# Altium PCB Driver_BLDC.PcbDoc (part 3 of 3)
Units mm, origin at the board's own origin, x right, y up, seen from the top; angles counter-clockwise.
Board outline 199.8 x 169.8 mm, 2 copper layers (Top Layer, Bottom Layer), stack 1.371 mm thick; 322 components, 137 nets, 857 pads, 186 vias.
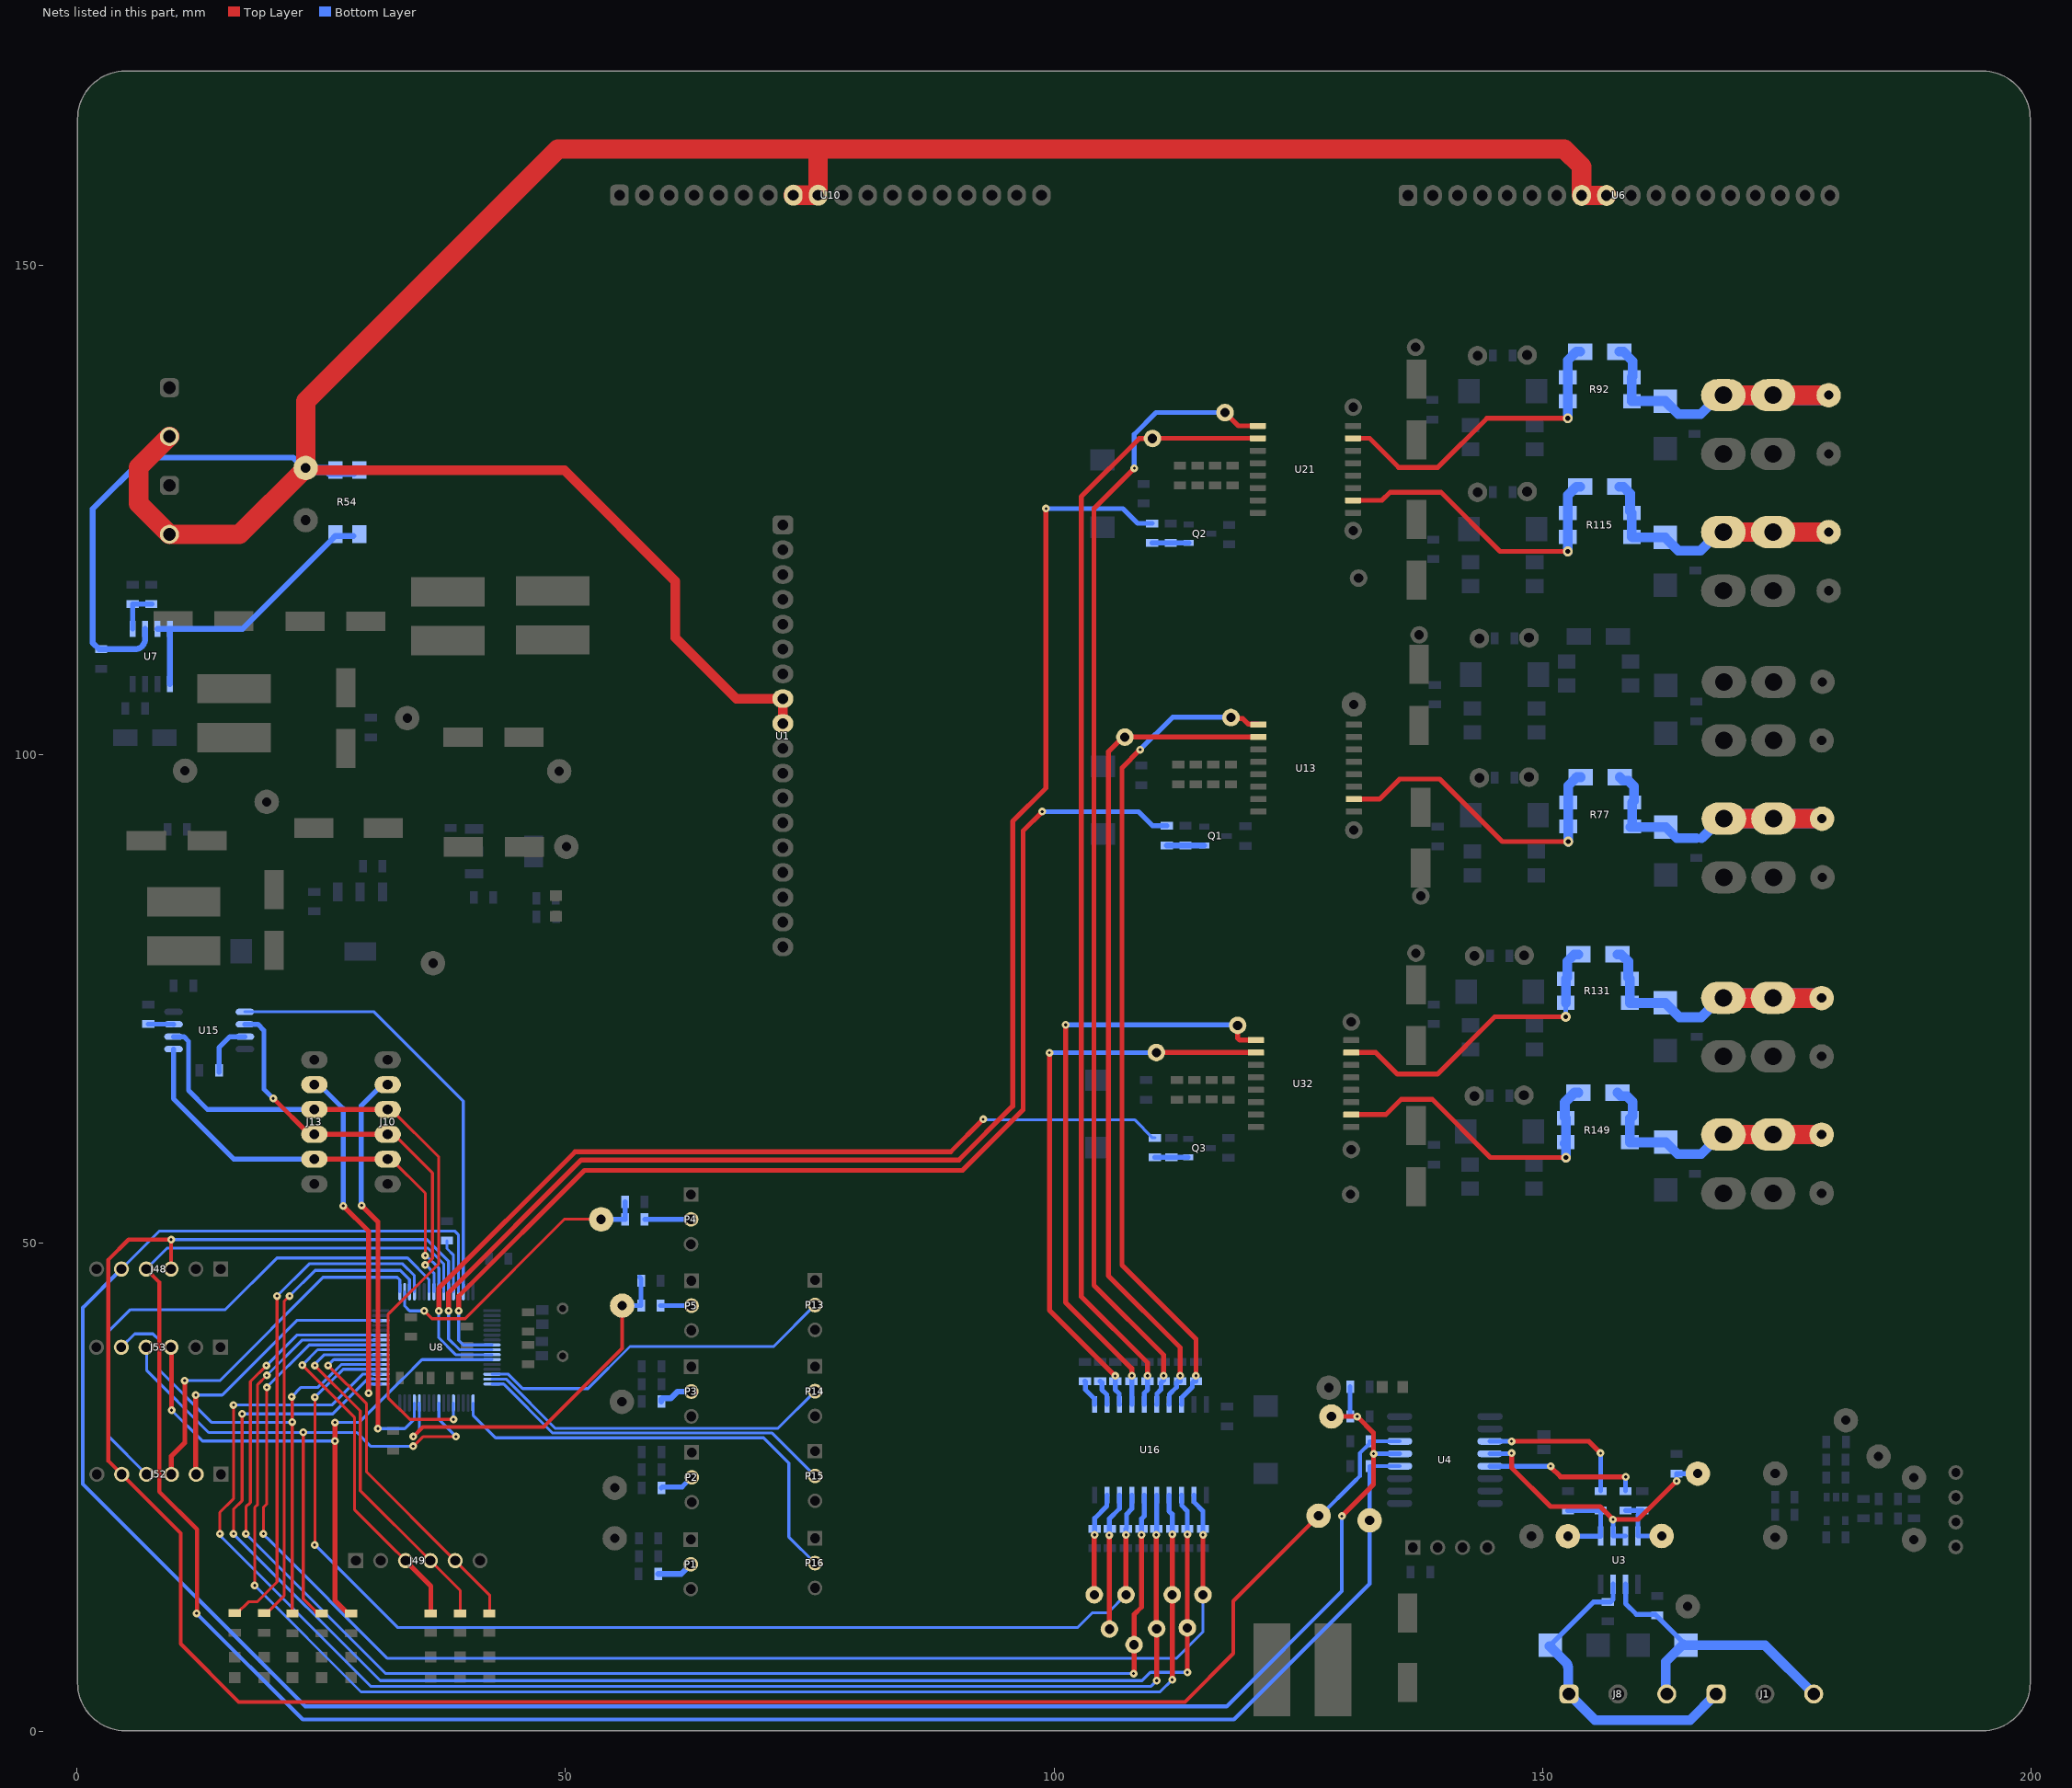
[diagram p3: the nets of this part, all layers, seen from the top]

## Via types
v1: diameter 0.8, hole 0.3, Top Layer to Bottom Layer, 76 vias
v2: diameter 0.8, hole 0.3, Top Layer to Bottom Layer, tented both sides, 35 vias
v3: diameter 1, hole 0.5, Top Layer to Bottom Layer, tented both sides, 35 vias
v4: diameter 0.6, hole 0.3, Top Layer to Bottom Layer, 16 vias
v5: diameter 1, hole 0.5, Top Layer to Bottom Layer, 16 vias
v6: diameter 0.8, hole 0.4, Top Layer to Bottom Layer, 4 vias
v7: diameter 0.8, hole 0.4, Top Layer to Bottom Layer, tented both sides, 2 vias
v8: diameter 0.7, hole 0.3, Top Layer to Bottom Layer, tented both sides, 1 vias
v9: diameter 1.5, hole 1, Top Layer to Bottom Layer, tented both sides, 1 vias

## Nets (pads, with @x,y where several pads share a name; then routed paths per layer and width w, separated by ;. In a path a pad name is that pad's centre, name@x,y a point inside that pad or via, vN(x,y) a via of type N, cw(c..) or ccw(c..) an arc to the next point about the centre after c; other vN are vias at no path point) (continued)
NetD14_1: D14.1 R77.1 U13.10 | length 32.5
  Top Layer w0.5: U13.10@130.682,95.408 133.302,95.408 135.367,97.473 139.467,97.473 145.867,91.073 v3@152.377,91.073
  Bottom Layer w0.5: R77.1@152.617,92.609 R77.1@152.626,92.618
  Bottom Layer w1: v3(152.617,91.073) R77.1@152.617,92.609 ; R77.1@152.626,92.618 R77.1@152.626,95.068 152.626,96.778 153.151,97.303 153.501,97.653 D14.1@153.901,97.653
NetD14_2: D14.2 J19.1 R77.2 R81.2 TP45.1 VD6.2 | length 36.5
  Top Layer w2: J19.1@168.547,93.413 J19.1@173.627,93.413 TP45.1@178.587,93.413
  Bottom Layer w1: D14.2@157.901,97.653 158.251,97.303 158.772,97.303 159.357,96.717 159.357,95.249 R77.2@159.176,95.068 R77.2@159.176,92.618 R77.2@159.241,92.553 ; R77.2@159.001,92.553 VD6.2@162.587,92.553 163.727,91.413 R81.2@165.718,91.413 ; R81.2@166.285,91.413 168.285,93.413 J19.1@168.547,93.413
  Bottom Layer w2: J19.1@168.547,93.413 J19.1@173.627,93.413 TP45.1@178.587,93.413
NetD17_1: D17.1 R92.1 U21.15 | length 32.8
  Top Layer w0.5: U21.15@130.61,132.323 132.3,132.323 135.265,129.358 139.285,129.358 144.305,134.378 v3(152.58,134.378)
  Bottom Layer w1: v3(152.58,134.378) R92.1@152.58,136.133 R92.1@152.58,138.583 152.58,140.313 153.455,141.188 D17.1@153.855,141.188
NetD17_2: D17.2 J24.1 R92.2 R95.2 TP55.1 VD11.2 | length 38.2
  Top Layer w2: J24.1@168.495,136.738 J24.1@173.575,136.738 TP55.1@179.271,136.738
  Bottom Layer w1: D17.2@157.855,141.188 158.255,141.188 159.221,140.222 159.221,138.674 R92.2@159.13,138.583 R92.2@159.13,136.133 159.135,136.138 VD11.2@162.535,136.138 163.885,134.788 R95.2@165.545,134.788 166.182,134.788 168.132,136.738 J24.1@168.495,136.738
  Bottom Layer w2: J24.1@168.495,136.738 J24.1@173.575,136.738 TP55.1@179.271,136.738
NetD19_1: D19.1 R115.1 U21.10 | length 32.2
  Top Layer w0.5: U21.10@130.61,125.973 133.56,125.973 134.39,126.803 139.608,126.803 145.653,120.758 v3(152.58,120.758)
  Bottom Layer w1: v3(152.58,120.758) R115.1@152.58,122.253 R115.1@152.58,124.703 152.58,126.503 153.455,127.378 D19.1@153.855,127.378
NetD19_2: D19.2 J29.1 R115.2 R118.2 TP68.1 VD15.2 | length 38.2
  Top Layer w2: J29.1@168.495,122.738 J29.1@173.575,122.738 TP68.1@179.271,122.738
  Bottom Layer w1: D19.2@157.855,127.378 158.255,127.378 158.957,126.676 158.957,124.876 R115.2@159.13,124.703 R115.2@159.13,122.253 159.205,122.178 VD15.2@162.545,122.178 ; VD15.2@162.565,122.138 163.885,120.818 R118.2@165.635,120.818 166.152,120.818 168.072,122.738 J29.1@168.495,122.738
  Bottom Layer w2: J29.1@168.495,122.738 J29.1@173.575,122.738 TP68.1@179.271,122.738
NetD21_1: D21.1 R131.1 U32.15 | length 32.4
  Top Layer w0.5: U32.15@130.42,69.484 132.94,69.484 135.145,67.279 139.225,67.279 145.095,73.149 v3(152.365,73.149)
  Bottom Layer w0.5: v3(152.365,73.149) 152.365,74.549 R131.1@152.375,74.559
  Bottom Layer w1: R131.1@152.375,74.559 R131.1@152.375,77.009 152.532,77.166 152.532,78.816 153.25,79.534 D21.1@153.65,79.534
NetD21_2: D21.2 J34.1 R131.2 R135.2 TP78.1 VD21.2 | length 36.9
  Top Layer w2: J34.1@168.505,75.089 168.535,75.059 TP78.1@178.545,75.059
  Bottom Layer w1: D21.2@157.65,79.534 158.05,79.534 158.768,78.816 158.768,77.166 R131.2@158.925,77.009 R131.2@158.925,74.559 VD21.2@162.555,74.559 164.015,73.099 R135.2@165.775,73.099 166.232,73.099 168.222,75.089 J34.1@168.505,75.089
  Bottom Layer w2: J34.1@168.505,75.089 168.535,75.059 TP78.1@178.545,75.059
NetD24_1: D24.1 R149.1 U32.10 | length 32.7
  Top Layer w0.5: U32.10@130.42,63.134 133.95,63.134 135.515,64.699 138.705,64.699 144.666,58.738 v3(152.381,58.738)
  Bottom Layer w0.5: R149.1@152.27,60.193 R149.1@152.381,60.304
  Bottom Layer w1: R149.1@152.27,60.193 152.381,60.082 v3(152.381,58.738) ; R149.1@152.381,60.304 R149.1@152.381,62.754 152.27,62.865 152.27,64.393 153.256,65.379 D24.1@153.656,65.379
NetD24_2: D24.2 J38.1 R149.2 R152.2 TP86.1 VD25.2 | length 37.2
  Top Layer w2: J38.1@168.505,61.089 J38.1@173.585,61.089 TP86.1@178.545,61.089
  Bottom Layer w1: D24.2@157.656,65.379 158.006,65.029 158.629,65.029 159.215,64.443 159.215,62.979 158.99,62.754 R149.2@158.931,62.754 R149.2@158.931,60.304 162.58,60.304 VD25.2@162.595,60.319 163.815,59.099 R152.2@165.595,59.099 166.232,59.099 168.222,61.089 J38.1@168.505,61.089
  Bottom Layer w2: J38.1@168.505,61.089 J38.1@173.585,61.089 TP86.1@178.545,61.089
NetJ1_1: J1.1 J8.1 R41.2 U3.7 ZD2.1 | length 32.8
  Bottom Layer w0.5: ZD2.1@150.806,8.862 155.203,13.26 156.92,13.26 157.207,13.547 U3.7@157.207,15.097
  Bottom Layer w1: ZD2.1@150.717,8.773 151.241,8.249 152.32,7.17 cw(c151.612,6.464) 152.612,6.464 152.612,3.952 J8.1@152.702,3.862 155.37,1.194 165.078,1.194 J1.1@167.745,3.861
NetJ1_3: J1.3 J8.3 R24.1 U3.6 ZD1.1 | length 30.9
  Bottom Layer w0.5: U3.6@158.477,15.097 158.492,15.082 158.492,13.108 159.588,12.012 161.503,12.012 161.677,11.837 ZD1.1@164.653,8.862
  Bottom Layer w1: J8.3@162.702,3.862 162.612,3.952 162.612,7.169 ZD1.1@164.393,8.949 ; ZD1.1@164.653,8.862 172.744,8.862 J1.3@177.745,3.861
NetJ10_2: J10.2 J13.2 U8.57 U15.5 | length 45.5
  Top Layer w0.3: J10.2@31.828,58.577 32.193,58.577 35.681,55.089 v1(35.681,48.722)
  Top Layer w0.5: J13.2@24.328,58.577 J10.2@31.828,58.577
  Bottom Layer w0.3: v1(35.681,48.722) 35.759,48.722 37.064,47.418 U8.57@37.064,45.017
  Bottom Layer w0.5: U15.5@9.91,69.828 9.91,64.766 16.099,58.577 J13.2@24.328,58.577
NetJ10_3: J10.3 J13.3 U8.56 U15.2 | length 41.9
  Top Layer w0.3: J10.3@31.828,61.117 32.449,61.117 36.411,57.155 36.411,48.42 35.733,47.742 v1(35.681,47.742)
  Top Layer w0.5: v1(20.117,64.795) 20.137,64.795 23.816,61.117 J13.3@24.328,61.117 J10.3@31.828,61.117
  Bottom Layer w0.3: v1(35.681,47.742) 35.741,47.742 36.564,46.92 U8.56@36.564,45.017
  Bottom Layer w0.5: U15.2@17.218,72.377 18.544,72.377 19.177,71.744 19.177,65.735 v1(20.117,64.795)
NetJ10_4: J10.4 J13.4 U8.21 U15.6 | length 71.3
  Top Layer w0.3: J10.4@31.828,63.657 32.193,63.657 37.059,58.791 37.059,47.876 31.86,42.678 31.86,34.18 34.092,31.948 38.554,31.948 v1(38.564,31.958)
  Top Layer w0.5: J13.4@24.328,63.657 J10.4@31.828,63.657
  Bottom Layer w0.3: v1(38.564,31.958) U8.21@38.564,33.635
  Bottom Layer w0.5: U15.6@9.918,71.107 10.975,71.107 11.455,70.627 11.455,65.608 13.407,63.657 J13.4@24.328,63.657
NetJ10_5: J10.5 U8.29 | length 43.1
  Top Layer w0.5: v2@29.191,53.816 30.836,52.172 v2(30.836,31.013)
  Bottom Layer w0.3: v2(30.836,31.013) 33.574,31.013 34.564,32.003 U8.29@34.564,33.635
  Bottom Layer w0.5: v2(29.163,53.845) 29.134,53.873 29.134,64.059 31.272,66.197 J10.5@31.828,66.197
NetJ13_5: J13.5 U8.33 | length 36.2
  Top Layer w0.5: v2(27.28,53.797) 29.876,51.201 29.876,34.651 v2(29.87,34.646)
  Bottom Layer w0.3: v2(29.87,34.646) 29.87,35.392 30.055,35.576 U8.33@31.123,35.576
  Bottom Layer w0.5: J13.5@24.328,66.197 24.837,66.197 27.28,63.754 v2(27.28,53.797)
NetJ48_3: J48.3 J52.5 R25.1 TP14.1 U4.6 U8.59 | length 228.2
  Top Layer w0.4: J48.3@9.667,47.332 v1(9.667,50.343) 5.309,50.343 3.251,48.285 3.251,27.703 J52.5@4.622,26.332 10.643,20.311 10.643,8.992 16.586,3.048 113.398,3.048 118.35,8 118.35,13.372 TP14.1@127.076,22.098
  Bottom Layer w0.3: v1(9.667,50.343) 35.865,50.343 38.064,48.144 U8.59@38.064,45.017
  Bottom Layer w0.4: TP14.1@126.936,21.78 TP14.1@127.132,21.693 ; TP14.1@127.076,22.098 127.249,22.098 130.703,25.552 131.303,26.152 131.303,28.487 132.303,29.487 R25.1@132.303,29.712 U4.6@135.368,29.712
NetJ48_4: J48.4 R28.1 TP11.1 U4.4 U8.58 | length 217.6
  Top Layer w0.4: J48.4@7.127,47.332 8.458,46.001 8.458,24.562 12.319,20.701 12.319,12.167 v1(12.268,12.116)
  Bottom Layer w0.3: J48.4@7.127,47.332 9.273,49.478 35.957,49.478 37.564,47.872 U8.58@37.564,45.017
  Bottom Layer w0.4: v1(12.268,12.116) 23.139,1.245 118.415,1.245 132.303,15.133 TP11.1@132.303,21.628 R28.1@132.303,27.172 U4.4@135.368,27.172
NetJ48_5: J48.5 R39.2 R40.2 TP10.1 U4.5 U8.61 | length 237.8
  Top Layer w0.5: TP10.1@128.397,32.252 v2(131.033,32.252) 132.703,30.582 132.703,25.297 v1(129.463,22.057)
  Bottom Layer w0.3: J48.5@4.587,47.332 7.598,50.343 8.487,51.232 38.684,51.232 39.064,50.852 U8.61@39.064,45.017
  Bottom Layer w0.4: J48.5@4.587,47.332 0.632,43.377 0.632,25.352 23.393,2.591 117.678,2.591 129.463,14.376 v1(129.463,22.057)
  Bottom Layer w0.5: R39.2@130.303,35.287 R40.2@130.303,32.252 v2(131.033,32.252) ; v2(132.703,28.442) U4.5@135.368,28.442
NetJ49_3: J49.3 R12.2 U8.40 | length 39.6
  Top Layer w0.3: v1(23.083,37.495) 28.448,32.13 28.448,22.694 31.927,19.216 31.937,19.216 J49.3@33.657,17.496
  Top Layer w0.5: J49.3@33.657,17.496 36.257,14.896 R12.2@36.257,12.101
  Bottom Layer w0.3: v1(23.083,37.495) 24.665,39.076 U8.40@31.123,39.076
NetJ49_4: J49.4 R11.2 U8.39 | length 38.8
  Top Layer w0.3: v1(24.384,37.465) 29.032,32.817 29.032,24.661 J49.4@36.197,17.496 39.257,14.436 R11.2@39.257,12.101
  Bottom Layer w0.3: v1(24.384,37.465) 24.384,37.601 24.614,37.831 24.614,37.837 25.353,38.576 U8.39@31.123,38.576
NetJ49_5: J49.5 R10.2 U8.38 | length 37.9
  Top Layer w0.3: v1(25.734,37.465) 29.667,33.533 29.667,26.566 J49.5@38.737,17.496 42.257,13.976 R10.2@42.257,12.101
  Bottom Layer w0.3: v1(25.734,37.465) 25.734,37.495 26.316,38.076 U8.38@31.123,38.076
NetJ52_2: J52.2 U8.46 | length 30.2
  Top Layer w0.5: v1(12.197,34.442) 12.197,26.377 J52.2@12.242,26.332
  Bottom Layer w0.3: v1(12.197,34.442) 14.894,34.442 22.527,42.076 U8.46@31.123,42.076
NetJ52_3: J52.3 U8.49 | length 37.9
  Top Layer w0.5: J52.3@9.702,26.332 9.702,28.193 11.074,29.566 11.074,35.89 v1(11.049,35.916)
  Bottom Layer w0.3: v1(11.049,35.916) 14.656,35.916 25.224,46.483 32.808,46.483 33.064,46.228 U8.49@33.064,45.017
NetJ52_4: J52.4 U8.55 | length 54.3
  Bottom Layer w0.3: J52.4@7.162,26.332 3.251,30.243 3.251,40.921 5.512,43.182 15.217,43.182 20.504,48.469 33.856,48.469 36.064,46.261 U8.55@36.064,45.017
NetJ53_3: J53.3 R7.2 U8.11 | length 63.6
  Top Layer w0.5: v2(9.717,32.892) J53.3@9.717,39.272 ; v1(26.447,31.632) 26.447,13.406 27.627,12.226 27.931,12.226 R7.2@28.081,12.076
  Top Layer w1: J53.3@9.657,39.332 J53.3@9.717,39.272
  Bottom Layer w0.3: v2(9.717,32.892) 12.877,29.732 24.935,29.732 v2(26.447,29.732) ; v1(26.447,31.632) 28.895,31.632 33.418,36.154 33.426,36.154 35.348,38.076 U8.11@42.505,38.076
NetJ53_4: J53.4 R8.2 U8.24 | length 61.4
  Top Layer w0.3: v2(23.19,30.632) 23.19,13.605 R8.2@24.569,12.226 ; v1(34.442,29.21) 34.495,29.21 35.486,30.201 v1@38.781,30.201
  Top Layer w0.5: R8.2@24.569,12.226 24.931,12.226 R8.2@25.081,12.076
  Top Layer w1: J53.4@7.117,39.332 J53.4@7.177,39.272
  Bottom Layer w0.3: J53.4@7.117,39.332 7.177,39.272 7.177,36.948 13.518,30.607 23.165,30.607 v2(23.19,30.632) 23.216,30.607 28.679,30.607 30.076,29.21 v1(34.442,29.21) ; U8.24@37.064,33.635 37.064,31.948 v1(38.811,30.201)
NetJ53_5: J53.5 R9.2 U8.37 | length 56.5
  Top Layer w0.3: v1(22.007,34.271) 22.057,34.221 R9.2@22.057,12.126
  Top Layer w0.5: R9.2@22.032,12.126 R9.2@22.081,12.076
  Top Layer w1: J53.5@4.577,39.332 J53.5@4.637,39.272
  Bottom Layer w0.3: J53.5@4.577,39.332 5.945,40.7 7.825,40.7 8.447,40.078 8.447,37.028 13.843,31.632 22.007,31.632 v2(22.057,31.682) v2@22.107,31.632 ; v1(22.007,34.271) 22.966,35.23 24.714,35.23 25.578,36.093 25.608,36.093 27.091,37.576 U8.37@31.123,37.576
NetP1_2: P1.2 R1.1 | length 3.7
  Bottom Layer w0.6: R1.1@59.511,16.147 61.862,16.147 P1.2@62.842,17.127
NetP2_2: P2.2 R2.1 | length 3.6
  Bottom Layer w0.5: R2.1@59.826,24.951 59.91,25.035 61.951,25.035 P2.2@62.943,26.027
NetP3_2: P3.2 R3.1 | length 3.6
  Bottom Layer w0.6: R3.1@59.823,33.784 59.823,34.009 59.923,34.109 60.809,34.109 61.502,34.802 P3.2@62.893,34.802
NetP4_2: P4.2 R22.1 | length 4.7
  Bottom Layer w0.5: R22.1@58.125,52.421 P4.2@62.867,52.421
NetP5_2: P5.2 R23.1 | length 3.2
  Bottom Layer w0.5: R23.1@59.757,43.591 P5.2@62.917,43.591
NetP13_2: P13.2 U8.14 | length 37.2
  Bottom Layer w0.3: U8.14@42.507,36.576 44.184,36.576 45.649,35.111 52.322,35.111 56.622,39.411 71.316,39.411 P13.2@75.555,43.65
NetP14_2: P14.2 U8.15 | length 36.7
  Bottom Layer w0.3: U8.15@42.507,36.076 43.938,36.076 48.982,31.032 71.752,31.032 P14.2@75.555,34.835
NetP15_2: P15.2 U8.16 | length 36.9
  Bottom Layer w0.3: U8.16@42.507,35.576 43.688,35.576 48.712,30.552 71.168,30.552 P15.2@75.555,26.165
NetP16_2: P16.2 U8.17 | length 46.9
  Bottom Layer w0.3: U8.17@40.564,33.635 40.564,32.385 42.877,30.072 70.292,30.072 72.88,27.484 72.88,19.925 P16.2@75.555,17.25
NetQ1_1: Q1.1 R84.2 R88.1 | length 3.8
  Bottom Layer w0.6: R84.2@111.539,90.686 Q1.1@115.37,90.686
NetQ2_1: Q2.1 R111.2 R113.1 | length 3.8
  Bottom Layer w0.5: R111.2@110.043,121.622 Q2.1@113.795,121.621
NetQ3_1: Q3.1 R140.2 R143.1 | length 3.4
  Bottom Layer w0.5: R140.2@110.322,58.761 Q3.1@113.744,58.761
NetR13_2: R13.2 U15.7 | length 2.6
  Bottom Layer w0.5: R13.2@7.35,72.397 9.898,72.397 U15.7@9.918,72.377
NetR14_2: R14.2 U15.3 | length 5.6
  Bottom Layer w0.5: R14.2@14.568,67.465 14.568,69.982 15.693,71.107 U15.3@17.218,71.107
NetR15_2: R15.2 TP4.1 U16.9 | length 10.7
  Top Layer w0.3: v1@104.125,20.115 v1(104.16,20.15)
  Top Layer w0.5: TP4.1@104.125,14.011 v1@104.125,20.115
  Bottom Layer w0.5: v1(104.16,20.15) 104.16,21.83 105.414,23.084 105.414,24.184 U16.9@105.43,24.2
NetR16_2: R16.2 TP12.1 U16.8 | length 14.1
  Top Layer w0.3: v1(105.656,20.115) v1@105.675,20.096
  Top Layer w0.5: TP12.1@105.675,10.5 v1@105.675,20.096
  Bottom Layer w0.5: v1(105.656,20.115) 105.656,21.78 106.7,22.825 U16.8@106.7,24.2
NetR17_2: R17.2 TP15.1 U8.36 U16.7 | length 121.3
  Top Layer w0.3: v1(24.359,19.101) 24.384,19.126 v1(24.384,34.221)
  Top Layer w0.5: TP15.1@107.375,14.011 v1(107.375,20.15)
  Bottom Layer w0.3: v1(24.359,19.101) 24.402,19.101 28.175,15.327 32.827,10.675 102.445,10.675 103.937,12.167 105.53,12.167 TP15.1@107.375,14.011 ; v1(24.384,34.221) 25.777,35.613 25.807,35.613 27.269,37.076 U8.36@31.007,37.076
  Bottom Layer w0.5: v1(107.375,20.15) R17.2@107.375,20.775 107.425,20.825 107.425,22.25 107.97,22.795 U16.7@107.97,24.2
NetR18_2: R18.2 TP17.1 U8.43 U16.6 | length 146.4
  Top Layer w0.3: v1(17.323,20.246) 17.323,22.994 17.78,23.451 17.78,35.835 v1(19.41,37.465) ; v1(108.15,5.955) v1@108.2,6.005
  Top Layer w0.5: v1@108.2,6.005 TP17.1@108.2,8.9 108.2,11.989 108.965,12.754 v1(108.965,20.15)
  Bottom Layer w0.3: v1@17.334,20.234 31.613,5.955 v1(108.15,5.955) ; v1(19.41,37.465) 22.52,40.576 U8.43@31.007,40.576
  Bottom Layer w0.5: v1(108.965,20.15) R18.2@108.965,20.775 ; R18.2@108.965,20.775 108.965,21.78 109.24,22.055 U16.6@109.24,24.2
NetR19_2: R19.2 TP18.1 U8.35 U16.5 | length 151.8
  Top Layer w0.3: v1(14.657,20.246) 14.657,22.433 16.053,23.829 v1(16.053,33.426)
  Top Layer w0.5: v1(110.475,20.15) 110.475,10.575 TP18.1@110.512,10.537 v1(110.512,5.225)
  Bottom Layer w0.3: v1(14.657,20.246) 14.657,20.11 14.878,19.889 14.878,19.864 14.889,19.854 14.889,19.85 30.089,4.65 109.937,4.65 v1(110.512,5.225) ; v1(16.053,33.426) 26.111,33.426 29.261,36.576 U8.35@31.123,36.576
  Bottom Layer w0.5: v1(110.475,20.15) 110.51,20.185 U16.5@110.51,24.2
NetR20_2: R20.2 TP19.1 U8.42 U16.4 | length 153
  Top Layer w0.3: v1(18.225,14.975) 18.225,22.95 18.517,23.242 18.517,35.509 v1(19.456,36.449)
  Top Layer w0.5: v1(112.105,5.317) TP19.1@112.105,14.011 v1(112.105,20.185)
  Bottom Layer w0.3: v1(18.225,14.975) 18.225,14.95 29.1,4.075 110.864,4.075 v1(112.105,5.317) ; v1(19.456,36.449) 23.083,40.076 U8.42@31.007,40.076
  Bottom Layer w0.5: U16.4@111.78,24.2 111.78,22.575 112.105,22.25 R20.2@112.105,20.775 v1(112.105,20.185)
NetR21_2: R21.2 TP27.1 U8.34 U16.3 | length 150.1
  Top Layer w0.3: v1(16.053,20.246) 16.053,22.753 16.942,23.642 v1(16.942,32.512)
  Top Layer w0.5: v1(113.65,6.075) TP27.1@113.65,10.625 v1(113.65,20.185)
  Bottom Layer w0.3: v1(16.053,20.246) 31.073,5.225 109.025,5.225 109.875,6.075 v1(113.65,6.075) ; v1(16.942,32.512) 26.202,32.512 29.779,36.09 U8.34@30.385,36.09
  Bottom Layer w0.5: U16.3@113.05,24.2 113.075,24.175 113.075,23.15 113.65,22.575 R21.2@113.65,20.775 v1(113.65,20.185)
NetR22_2: R22.2 R29.2 TP8.1 U8.50 | length 30.6
  Top Layer w0.3: v1(35.564,43.062) 36.363,42.263 39.75,42.263 49.939,52.451 TP8.1@53.671,52.451
  Bottom Layer w0.3: U8.50@33.564,45.017 33.564,43.576 34.078,43.062 v1(35.564,43.062)
  Bottom Layer w0.5: TP8.1@53.671,52.421 R22.2@56.125,52.421 R29.2@56.125,54.211
NetR23_2: R23.2 R30.2 TP7.1 U8.28 | length 38.1
  Top Layer w0.4: v2(34.453,30.201) 35.431,31.178 47.79,31.178 55.823,39.212 TP7.1@55.823,43.591
  Bottom Layer w0.3: v2(34.453,30.201) 35.064,30.811 35.064,33.291 35.05,33.305 U8.28@35.05,33.635
  Bottom Layer w0.5: TP7.1@55.823,43.591 R23.2@57.757,43.591 R30.2@57.757,46.131 57.757,46.356 R30.2@57.607,46.506
NetR26_1: R26.1 R32.1 TP9.1 U3.4 | length 6.9
  Bottom Layer w0.5: R32.1@158.477,22.632 R26.1@159.982,22.632 ; R26.1@160.207,22.632 R26.1@159.982,22.632 ; TP9.1@162.184,20.027 U3.4@159.747,20.027 159.747,22.172 159.832,22.257 159.832,22.482 R26.1@159.982,22.632
NetR27_1: R27.1 R36.1 TP16.1 U3.1 | length 9.3
  Bottom Layer w0.5: TP16.1@152.592,20.002 155.922,20.002 155.937,20.017 U3.1@155.937,20.027 R36.1@155.937,22.632 R27.1@152.592,22.632
NetR31_2: R31.2 TP31.1 U8.41 U16.2 | length 145.4
  Top Layer w0.3: v1(19.115,20.246) 19.115,22.94 19.456,23.281 v1(19.456,35.23)
  Top Layer w0.5: TP31.1@115.25,14.011 v1(115.25,20.15)
  Bottom Layer w0.3: v1(19.115,20.246) 19.115,20.198 19.793,19.52 31.813,7.5 112.514,7.5 115.25,10.237 TP31.1@115.25,14.011 ; v1(19.456,35.23) 23.803,39.576 U8.41@31.007,39.576
  Bottom Layer w0.5: U16.2@114.32,24.2 114.345,24.175 114.345,23.48 115.25,22.575 v1(115.25,20.15)
NetR32_2: R32.2 U4.13 | length 15.8
  Top Layer w0.5: v2(150.822,27.172) 150.822,27.094 151.839,26.077 v2(158.497,26.077)
  Bottom Layer w0.5: U4.13@144.618,27.172 144.64,27.15 150.8,27.15 v2(150.822,27.172) ; R32.2@158.477,24.632 158.477,26.057 v2(158.497,26.077)
NetR33_2: R33.2 U16.11 | length 2.8
  Bottom Layer w0.5: R33.2@103.17,35.851 103.219,35.801 103.219,34.994 104.113,34.1 104.135,34.1 104.16,34.075 U16.11@104.16,33.5
NetR34_2: R34.2 U16.12 | length 2.4
  Bottom Layer w0.5: R34.2@104.725,35.851 R34.2@104.741,35.866 ; R34.2@104.906,35.701 104.906,34.994 105.405,34.495 105.405,33.525 U16.12@105.43,33.5
NetR35_2: R35.2 TP40.1 U16.13 U32.2 | length 60.1
  Top Layer w0.5: v1(99.543,69.469) 99.543,43.132 v1(106.27,36.405) ; TP40.1@110.479,69.484 U32.2@120.67,69.484
  Bottom Layer w0.5: v1(99.543,69.469) 110.464,69.469 TP40.1@110.479,69.484 ; v1(106.27,36.405) R35.2@106.27,35.851 106.27,34.992 106.675,34.587 106.675,33.525 U16.13@106.7,33.5
NetR36_2: R36.2 U4.11 | length 15.7
  Top Layer w0.5: v1(146.825,29.712) 154.73,29.712 v2(155.937,28.504)
  Bottom Layer w0.5: U4.11@144.618,29.712 v1(146.825,29.712) ; R36.2@155.937,24.632 v2(155.937,28.504)
NetR37_2: R37.2 TP41.1 U16.14 U32.1 | length 62
  Top Layer w0.5: v1(101.194,72.314) 101.194,43.942 107.97,37.166 v1(107.97,36.42) ; TP41.1@118.796,71.806 118.796,70.968 119.01,70.754 U32.1@120.67,70.754
  Bottom Layer w0.5: v1(101.194,72.314) 118.745,72.314 TP41.1@118.796,72.263 ; U16.14@107.97,33.5 v1(107.97,36.42)
NetR38_2: R38.2 TP13.1 U3.2 U3.3 U4.12 | length 30.6
  Top Layer w0.5: v1(146.825,28.5) 146.825,27.015 150.808,23.032 155.887,23.032 v2(157.207,21.712) 159.778,21.712 v2(163.712,25.646)
  Bottom Layer w0.5: U4.12@144.618,28.442 146.686,28.442 146.744,28.5 v1(146.825,28.5) ; v2(157.207,21.712) U3.2@157.207,20.027 U3.3@158.477,20.027 ; v2(163.712,25.646) 163.712,26.412 TP13.1@166.186,26.412
NetR42_2: R42.2 TP42.1 U16.15 U21.2 | length 116.3
  Top Layer w0.5: v1(109.58,36.42) 109.58,37.74 102.794,44.526 102.794,126.361 108.741,132.309 TP42.1@110.084,132.309 ; TP42.1@110.098,132.323 U21.2@120.86,132.323
  Bottom Layer w0.5: U16.15@109.24,33.5 109.242,33.502 109.242,34.654 109.58,34.992 R42.2@109.58,35.851 v1(109.58,36.42)
NetR43_2: R43.2 TP43.1 U16.16 U21.1 | length 118.3
  Top Layer w0.5: v1(108.219,129.271) 104.089,125.14 104.089,45.681 111.225,38.546 v1(111.225,36.42) ; TP43.1@117.503,134.957 118.867,133.593 U21.1@120.86,133.593
  Bottom Layer w0.5: v1(108.219,129.271) 108.219,132.732 110.444,134.957 TP43.1@117.503,134.957 ; U16.16@110.51,33.5 110.535,33.525 110.535,34.59 110.968,35.022 110.968,35.701 111.225,35.958 v1(111.225,36.42)
NetR44_2: R44.2 TP46.1 U13.2 U16.17 | length 86.4
  Top Layer w0.5: v1(112.915,36.42) 112.915,39.308 105.562,46.66 105.562,100.254 107.066,101.758 U13.2@120.932,101.758
  Bottom Layer w0.5: U16.17@111.78,33.5 111.805,33.525 111.805,34.507 112.54,35.242 112.54,35.701 112.69,35.851 R44.2@112.915,35.851 v1(112.915,36.42)
NetR45_2: R45.2 TP47.1 U13.1 U16.18 | length 85.4
  Top Layer w0.5: v1(108.816,100.465) 106.959,98.609 106.959,47.752 114.534,40.177 v1(114.534,36.42) ; TP47.1@118.117,103.755 118.227,103.645 119.341,103.645 119.909,103.078 120.882,103.078 U13.1@120.932,103.028
  Bottom Layer w0.5: v1(108.816,100.465) 112.135,103.784 TP47.1@118.117,103.784 ; U16.18@113.05,33.5 113.075,33.525 113.075,34.19 114.159,35.274 114.159,35.701 114.309,35.851 R45.2@114.534,35.851 v1(114.534,36.42)
NetR46_2: R46.2 U8.51 | length 48.7
  Top Layer w0.3: R46.2@19.202,12.125 19.452,12.375 19.716,12.375 21.234,13.894 21.234,44.023 v1(21.793,44.582)
  Bottom Layer w0.3: v1(21.793,44.582) 24.407,47.196 33.136,47.196 34.064,46.268 U8.51@34.064,45.017
NetR47_2: R47.2 U8.52 | length 52.5
  Top Layer w0.3: R47.2@16.192,12.125 16.417,12.125 17.577,13.284 18.466,13.284 20.504,15.322 v1(20.504,44.582)
  Bottom Layer w0.3: v1(20.504,44.582) 23.794,47.872 33.349,47.872 34.564,46.657 U8.52@34.564,45.017
NetR54_2: R54.2 U7.1 U7.7 U7.8 | length 29.6
  Bottom Layer w0.6: U7.7@8.275,112.834 U7.8@9.545,112.834 ; U7.1@9.545,107.184 U7.8@9.545,112.834 ; R54.2@28.325,122.325 26.456,122.325 26.048,121.917 26.048,121.9 16.982,112.834 U7.8@9.545,112.834
NetR56_2: R56.2 R57.2 U7.5 | length 4.5
  Bottom Layer w0.5: U7.5@5.74,112.839 R57.2@5.74,115.369 R56.2@7.734,115.369
NetR59_2: R59.2 U8.60 | length 5.5
  Bottom Layer w0.3: R59.2@37.897,50.232 37.897,49.429 38.564,48.761 U8.60@38.564,45.017
NetR84_1: R84.1 U8.8 | length 118.4
  Top Layer w0.5: v1(39.095,43.078) 39.095,44.561 51.964,57.429 90.653,57.429 96.85,63.627 96.85,92.177 v1(98.806,94.132)
  Bottom Layer w0.3: v1(39.095,43.078) 39.095,40.044 39.564,39.576 U8.8@42.505,39.576
  Bottom Layer w0.5: v1(98.806,94.132) 108.656,94.132 110.103,92.686 R84.1@111.539,92.686
NetR111_1: R111.1 U8.9 | length 149.3
  Top Layer w0.5: v1(38.064,43.078) 38.064,44.911 51.649,58.496 90.283,58.496 95.783,63.997 95.783,93.142 99.187,96.545 v1(99.187,125.14)
  Bottom Layer w0.3: v1(38.064,43.078) 38.064,40.186 39.174,39.076 U8.9@42.505,39.076
  Bottom Layer w0.5: v1(99.187,125.14) 107.041,125.14 108.56,123.622 R111.1@110.043,123.622
NetR140_1: R140.1 U8.10 | length 92.5
  Top Layer w0.5: v1(37.059,43.062) 37.059,45.384 51.009,59.334 89.433,59.334 v1(92.761,62.662)
  Bottom Layer w0.3: v1(37.059,43.062) 37.059,40.298 38.781,38.576 U8.10@42.505,38.576 ; v1(92.761,62.662) 92.812,62.611 108.247,62.611 110.097,60.761 R140.1@110.322,60.761
NetU8_62: U8.62 U15.1 | length 45.6
  Bottom Layer w0.3: U15.1@17.218,73.647 30.442,73.647 39.564,64.525 U8.62@39.564,45.017
VCC: C41.1 C47.1 J2.2 J9.2 R54.1 U1.8 U1.9 U6.8 U6.9 U7.6 U10.8 U10.9 | length 306
  Top Layer w1: C47.1@23.444,129.067 49.901,129.067 61.265,117.704 61.265,111.938 67.513,105.689 U1.8@72.263,105.689 U1.9@72.263,103.149
  Top Layer w2: J2.2@9.5,132.512 6.35,129.362 6.35,125.65 J9.2@9.5,122.5 16.658,122.5 C47.1@23.444,129.286 ; C47.1@23.444,129.067 23.444,136.119 49.251,161.925 75.87,161.925 ; U10.8@73.33,157.199 U10.9@75.87,157.199 75.87,161.925 ; U6.9@156.54,157.175 U6.8@154,157.175 154,160.122 152.197,161.925 75.87,161.925
  Bottom Layer w0.6: U7.6@7.005,112.834 7.005,111.789 cw(c5.965,111.789) 5.965,110.749 2.295,110.749 1.65,111.394 1.65,125.1 6.9,130.35 22.143,130.35 23.207,129.286 C47.1@23.444,129.286
  Bottom Layer w1: C47.1@23.444,129.286 23.65,129.081 25.669,129.081 25.875,128.875 R54.1@28.325,128.875
pads on no net: U1.5 U1.6 U1.7 U1.12 U1.13 U1.14 U4.3 U4.14 U6.5 U6.6 U6.7 U6.12 U6.13 U6.14 U8.2 U8.3 U8.4 U8.22 U8.23 U8.44 U8.45 U8.53 U8.54 U10.5 U10.6 U10.7 U10.12 U10.13 U10.14 U13.7 U13.12 U13.13 U21.7 U21.12 U21.13 U32.7 U32.12 U32.13

## Polygon pours and split planes (outlines as drawn)
GND on Bottom Layer "NONET_L-01_P-001" (solid, pour order 46): 100.546,89.881 100.546,106.535 122.232,106.535 122.232,89.881
GND on Bottom Layer "NONET_L-01_P-001" (solid, pour order 47): 97.663,120.423 97.663,137.1 122.25,137.1 122.25,120.423
GND on Bottom Layer "NONET_L-01_P-001" (solid, pour order 45): 100.228,57.19 100.228,73.844 122.276,73.844 122.276,57.19
GND_2 on Bottom Layer "NONET_L-01_P-001" (solid, pour order 44): 153.609,0.1 180.244,0.1 180.237,10.242 153.603,10.242
GND on Bottom Layer "NONET_L-01_P-001" (solid, pour order 21): 0.108,140.056 46.711,140.056 60.249,126.517 60.249,75.844 93.777,42.316 137.875,42.316 137.875,-0.1 18.49,-0.1 0.001,18.389
GND_2 on Bottom Layer "NONET_L-01_P-001" (solid, pour order 25): 141.042,0 167.65,0 167.625,33.557 141.025,33.557
GND on Bottom Layer "NONET_L-01_P-001" (solid, pour order 23): 172.048,33.547 172.048,14.075 200.1,14.075 200.1,33.547
GND on Top Layer "NONET_L-01_P-001" (solid, pour order 48): 100.228,35.77 100.228,137.1 122.232,137.1 122.232,35.948
GND_2 on Top Layer "NONET_L-01_P-001" (solid, pour order 43): 153.609,0.1 180.244,0.1 180.237,10.185 153.604,10.185
GND on Top Layer "NONET_L-01_P-001" (solid, pour order 19): 0.108,139.954 46.914,139.954 60.249,126.619 60.249,75.733 82.525,53.457 93.716,42.266 137.875,42.266 137.875,-0.1 18.49,-0.1 0.001,18.389
GND_2 on Top Layer "NONET_L-01_P-001" (solid, pour order 26): 141.011,0 167.65,0 167.625,33.557 140.994,33.557
GND on Top Layer "NONET_L-01_P-001" (solid, pour order 24): 172.048,27.56 172.048,14.075 200.1,14.075 200.1,33.547 172.048,33.547

## Keep-outs
Keep-Out Layer:
  circle w0.254: c195,5 r2
  circle w0.254: c5,5 r2
  circle w0.254: c5,145 r2
  circle w0.254: c195,145 r2
  lines w0.2: 124.075,71.655 124.075,61.059 ccw(c125.575,61.059) 127.075,61.059 127.075,71.658 ccw(c125.575,71.658) 124.075,71.658 ; 124.275,134.444 124.275,123.848 ccw(c125.775,123.848) 127.275,123.848 127.275,134.447 ccw(c125.775,134.447) 124.275,134.447 ; 124.337,103.929 124.337,93.333 ccw(c125.837,93.333) 127.337,93.333 127.337,103.932 ccw(c125.837,103.932) 124.337,103.932 ; 195,170 cw(c195,165) 200,165 200,5 cw(c195,5) 195,0 5,0 cw(c5,5) 0,5 0,165 cw(c5,165) 5,170 195.11,170

## Silkscreen, mask and mechanical layers (free items; w line width, h text height)
Top Overlay:
  circle w2: c5,5 r3
  circle w2: c195,5 r3
  circle w2: c5,145 r3
  circle w2: c195,145 r3
  lines w0.5: 166.477,52.887 185.898,52.887 185.898,77.165 ; 171.009,133.731 191.009,133.731 ; 171.179,119.841 191.179,119.841 ; 171.192,72.172 191.192,72.172 ; 171.242,58.052 191.242,58.052 ; 171.289,104.351 191.289,104.351 ; 171.409,90.381 191.409,90.381 ; 175.365,139.132 185.942,139.132 185.942,85.253 175.664,85.253 ; 175.523,77.248 185.875,77.248 ; 176.131,109.602 178.597,109.602 178.597,114.602 176.131,114.602
  lines w1.5: 171.222,126.868 191.222,126.868 ; 171.285,65.079 191.285,65.079 ; 171.439,97.416 191.439,97.416
  lines w4: 170.43,81.234 190.431,81.234 ; 171.292,112.049 191.292,112.049 ; 171.482,50.412 191.482,50.412
  text "GND VCC" at 3.029,139.08 h1.2 r270
  text "1_G" at 187.732,135.611 h2
  text "1_E" at 187.732,129.611 h2
  text "GND VCC" at 3.054,128.996 h1.2 r270
  text "2_G" at 187.732,122.714 h2
  text "2_E" at 187.732,116.124 h2
  text "3_G" at 187.732,107.354 h2
  text "3_E" at 187.732,100.764 h2
  text "4_G" at 187.732,93.024 h2
  text "4_E" at 187.732,86.434 h2
  text "5_G" at 187.732,74.412 h2
  text "5V" at 18.715,68.355 h0.8
  text "5_E" at 187.732,67.822 h2
  text "CS" at 18.586,65.636 h0.8
  text "SCK" at 17.986,63.211 h0.8
  text "6_G" at 187.732,60.925 h2
  text "MISO" at 17.336,60.711 h0.8
  text "MOSI" at 17.261,58.061 h0.8
  text "GND" at 17.876,55.395 h0.8
  text "GND" at 67.336,54.636 h0.8
  text "6_E" at 187.732,54.335 h2
  text "TIM1" at 67.125,52.175 h0.8
  text "RX" at 10.143,51.793 h0.8 r90
  text "DIR" at 5.023,51.768 h0.8 r90
  text "5V" at 12.554,51.74 h0.8 r90
  text "TX" at 7.603,51.568 h0.8 r90
  text "V3V" at 16.231,51.486 h0.8 r90
  text "GND" at 2.261,51.46 h0.8 r90
  text "5V" at 67.125,49.385 h0.8
  text "GND" at 26.231,45.934 h0.8
  text "GND" at 67.586,45.836 h0.8
  text "5V" at 79.986,45.836 h0.8
  text "TIM2" at 67.226,43.345 h0.8
  text "DC/RS" at 26.325,43.302 h0.8
  text "SENS_1" at 79.284,43.287 h0.8
  text "D_RST" at 26.325,40.896 h0.8
  text "GND" at 79.463,40.712 h0.8
  text "5V" at 66.972,40.214 h0.8
  text "D_LED" at 26.325,38.211 h0.8
  text "GND" at 67.511,36.986 h0.8
  text "5V" at 80.036,36.961 h0.8
  text "D_INT" at 26.701,35.455 h0.8
  text "GND" at 194.029,35.104 h0.8
  text "5V" at 12.649,34.925 h0.8 r90
  text "SENS_2" at 79.284,34.692 h0.8
  text "HALL_A" at 66.622,34.439 h0.8
  text "V3V" at 15.237,33.897 h0.8 r90
  text "GND" at 2.362,33.858 h0.8 r90
  text "OUT_P1" at 193.954,33.662 h0.8
  text "LED1" at 10.135,33.503 h0.8 r90
  text "5V" at 26.701,33.501 h0.8
  text "LED3" at 5.004,33.223 h0.8 r90
  text "LED2" at 7.722,33.223 h0.8 r90
  text "OUT_N1" at 193.954,32.237 h0.8
  text "GND" at 79.513,31.837 h0.8
  text "5V" at 66.875,31.757 h0.8
  text "5V" at 194.054,30.854 h0.8
  text "5V" at 80.111,28.336 h0.8
  text "GND" at 67.486,28.261 h0.8
  text "HALL_B" at 66.672,25.664 h0.8
  text "SENS_3" at 79.634,25.569 h0.8
  text "GND" at 79.588,23.212 h0.8
  text "5V" at 66.66,22.705 h0.8
  text "RX" at 4.851,21.336 h0.8 r90
  text "GND" at 42.115,20.939 h0.8 r90
  text "V3V" at 29.098,20.886 h0.8 r90
  text "LED_4" at 39.125,20.885 h0.8 r90
  text "V3V" at 15.478,20.84 h0.8 r90
  text "LED_5" at 36.719,20.814 h0.8 r90
  text "DIO" at 12.59,20.788 h0.8 r90
  text "SCK" at 10.126,20.737 h0.8 r90
  text "LED_7" at 31.554,20.715 h0.8 r90
  text "LED_6" at 34.094,20.715 h0.8 r90
  text "SWO" at 7.137,20.599 h0.8 r90
  text "GND" at 2.388,20.472 h0.8 r90
  text "GND" at 66.485,20.446 h0.8
  text "5V" at 80.161,19.536 h0.8
  text "SENS_4" at 79.713,16.887 h0.8
  text "HALL_C" at 66.603,16.777 h0.8
  text "GND" at 79.713,14.112 h0.8
  text "5V" at 66.485,13.98 h0.8
  text "GND" at 46.278,11.461 h0.8 r90
  text "UI_INT" at 49.22,8.811 h0.8 r90
  text "B" at 181.079,1.397 h1.52
  text "G" at 184.154,1.397 h1.52
  text "A" at 187.154,1.397 h1.52
  text "B" at 140.77,1.262 h1.52
  text "G" at 143.845,1.262 h1.52
  text "A" at 146.845,1.262 h1.52

## Text inside footprints (layer, text, board x,y; h text height)
C47: Top Overlay "+" at 24.968,130.556 h1.52 r270; Top Overlay "-" at 24.968,123.825 h1.52 r270
U1: Top Overlay "+12V" at 75.02,102.205 h1.3; Top Overlay "GND" at 75.66,99.666 h1.3; Top Overlay "GND" at 75.66,97.126 h1.3; Top Overlay "+12V" at 75.02,104.745 h1.3; Top Overlay "-18V_2" at 73.924,87.399 h1.3; Top Overlay "-18V_2" at 73.924,84.859 h1.3; Top Overlay "+18V_2" at 73.924,82.319 h1.3; Top Overlay "+18V_2" at 73.924,79.779 h1.3; Top Overlay "+18V_1" at 74.202,122.958 h1.3; Top Overlay "+18V_1" at 74.202,120.418 h1.3; Top Overlay "-18V_1" at 74.202,117.878 h1.3; Top Overlay "-18V_1" at 74.202,115.338 h1.3; Bottom Overlay "+18V_1" at 80.411,122.958 h1.3; Bottom Overlay "+18V_1" at 80.411,120.418 h1.3; Bottom Overlay "-18V_1" at 80.411,117.878 h1.3; Bottom Overlay "-18V_1" at 80.411,115.338 h1.3; Bottom Overlay "+12V" at 79.594,104.745 h1.3; Bottom Overlay "+12V" at 79.594,102.205 h1.3; Bottom Overlay "GND" at 78.954,99.666 h1.3; Bottom Overlay "GND" at 78.954,97.126 h1.3; Bottom Overlay "-18V_2" at 80.689,87.399 h1.3; Bottom Overlay "-18V_2" at 80.69,84.859 h1.3; Bottom Overlay "+18V_2" at 80.69,82.319 h1.3; Bottom Overlay "+18V_2" at 80.69,79.779 h1.3
U6: Top Overlay "-18V_1" at 144.351,159.115 h1.3 r90; Top Overlay "-18V_1" at 141.811,159.115 h1.3 r90; Top Overlay "+18V_1" at 139.271,159.115 h1.3 r90; Top Overlay "+18V_1" at 136.731,159.115 h1.3 r90; Top Overlay "+18V_2" at 179.91,158.836 h1.3 r90; Top Overlay "+18V_2" at 177.37,158.836 h1.3 r90; Top Overlay "-18V_2" at 174.83,158.836 h1.3 r90; Top Overlay "-18V_2" at 172.291,158.836 h1.3 r90; Top Overlay "+12V" at 154.945,159.932 h1.3 r90; Top Overlay "GND" at 162.563,160.573 h1.3 r90; Top Overlay "GND" at 160.023,160.573 h1.3 r90; Top Overlay "+12V" at 157.485,159.932 h1.3 r90; Bottom Overlay "+18V_2" at 179.91,165.602 h1.3 r90; Bottom Overlay "+18V_2" at 177.37,165.602 h1.3 r90; Bottom Overlay "-18V_2" at 174.83,165.602 h1.3 r90; Bottom Overlay "-18V_2" at 172.291,165.601 h1.3 r90; Bottom Overlay "GND" at 162.563,163.866 h1.3 r90; Bottom Overlay "GND" at 160.023,163.866 h1.3 r90; Bottom Overlay "+12V" at 157.485,164.506 h1.3 r90; Bottom Overlay "+12V" at 154.945,164.506 h1.3 r90; Bottom Overlay "-18V_1" at 144.351,165.323 h1.3 r90; Bottom Overlay "-18V_1" at 141.811,165.323 h1.3 r90; Bottom Overlay "+18V_1" at 139.271,165.323 h1.3 r90; Bottom Overlay "+18V_1" at 136.731,165.323 h1.3 r90
U10: Top Overlay "-18V_1" at 63.682,159.139 h1.3 r90; Top Overlay "-18V_1" at 61.142,159.139 h1.3 r90; Top Overlay "+18V_1" at 58.602,159.139 h1.3 r90; Top Overlay "+18V_1" at 56.062,159.139 h1.3 r90; Top Overlay "+18V_2" at 99.24,158.86 h1.3 r90; Top Overlay "+18V_2" at 96.7,158.86 h1.3 r90; Top Overlay "-18V_2" at 94.16,158.86 h1.3 r90; Top Overlay "-18V_2" at 91.62,158.86 h1.3 r90; Top Overlay "+12V" at 74.274,159.956 h1.3 r90; Top Overlay "GND" at 81.893,160.596 h1.3 r90; Top Overlay "GND" at 79.353,160.596 h1.3 r90; Top Overlay "+12V" at 76.814,159.956 h1.3 r90; Bottom Overlay "+18V_2" at 99.24,165.626 h1.3 r90; Bottom Overlay "+18V_2" at 96.7,165.626 h1.3 r90; Bottom Overlay "-18V_2" at 94.16,165.626 h1.3 r90; Bottom Overlay "-18V_2" at 91.62,165.626 h1.3 r90; Bottom Overlay "GND" at 81.893,163.89 h1.3 r90; Bottom Overlay "GND" at 79.353,163.89 h1.3 r90; Bottom Overlay "+12V" at 76.814,164.53 h1.3 r90; Bottom Overlay "+12V" at 74.274,164.53 h1.3 r90; Bottom Overlay "-18V_1" at 63.682,165.347 h1.3 r90; Bottom Overlay "-18V_1" at 61.142,165.347 h1.3 r90; Bottom Overlay "+18V_1" at 58.602,165.347 h1.3 r90; Bottom Overlay "+18V_1" at 56.062,165.347 h1.3 r90